# Altium PCB rev6.PcbDoc (part 3 of 4)
Units mil, origin at the board's own origin, x right, y up, seen from the top; angles counter-clockwise.
Board outline 1000 x 900 mil, 2 copper layers (Top Layer, Bottom Layer); 180 components, 16 nets, 1920 pads, 0 vias.
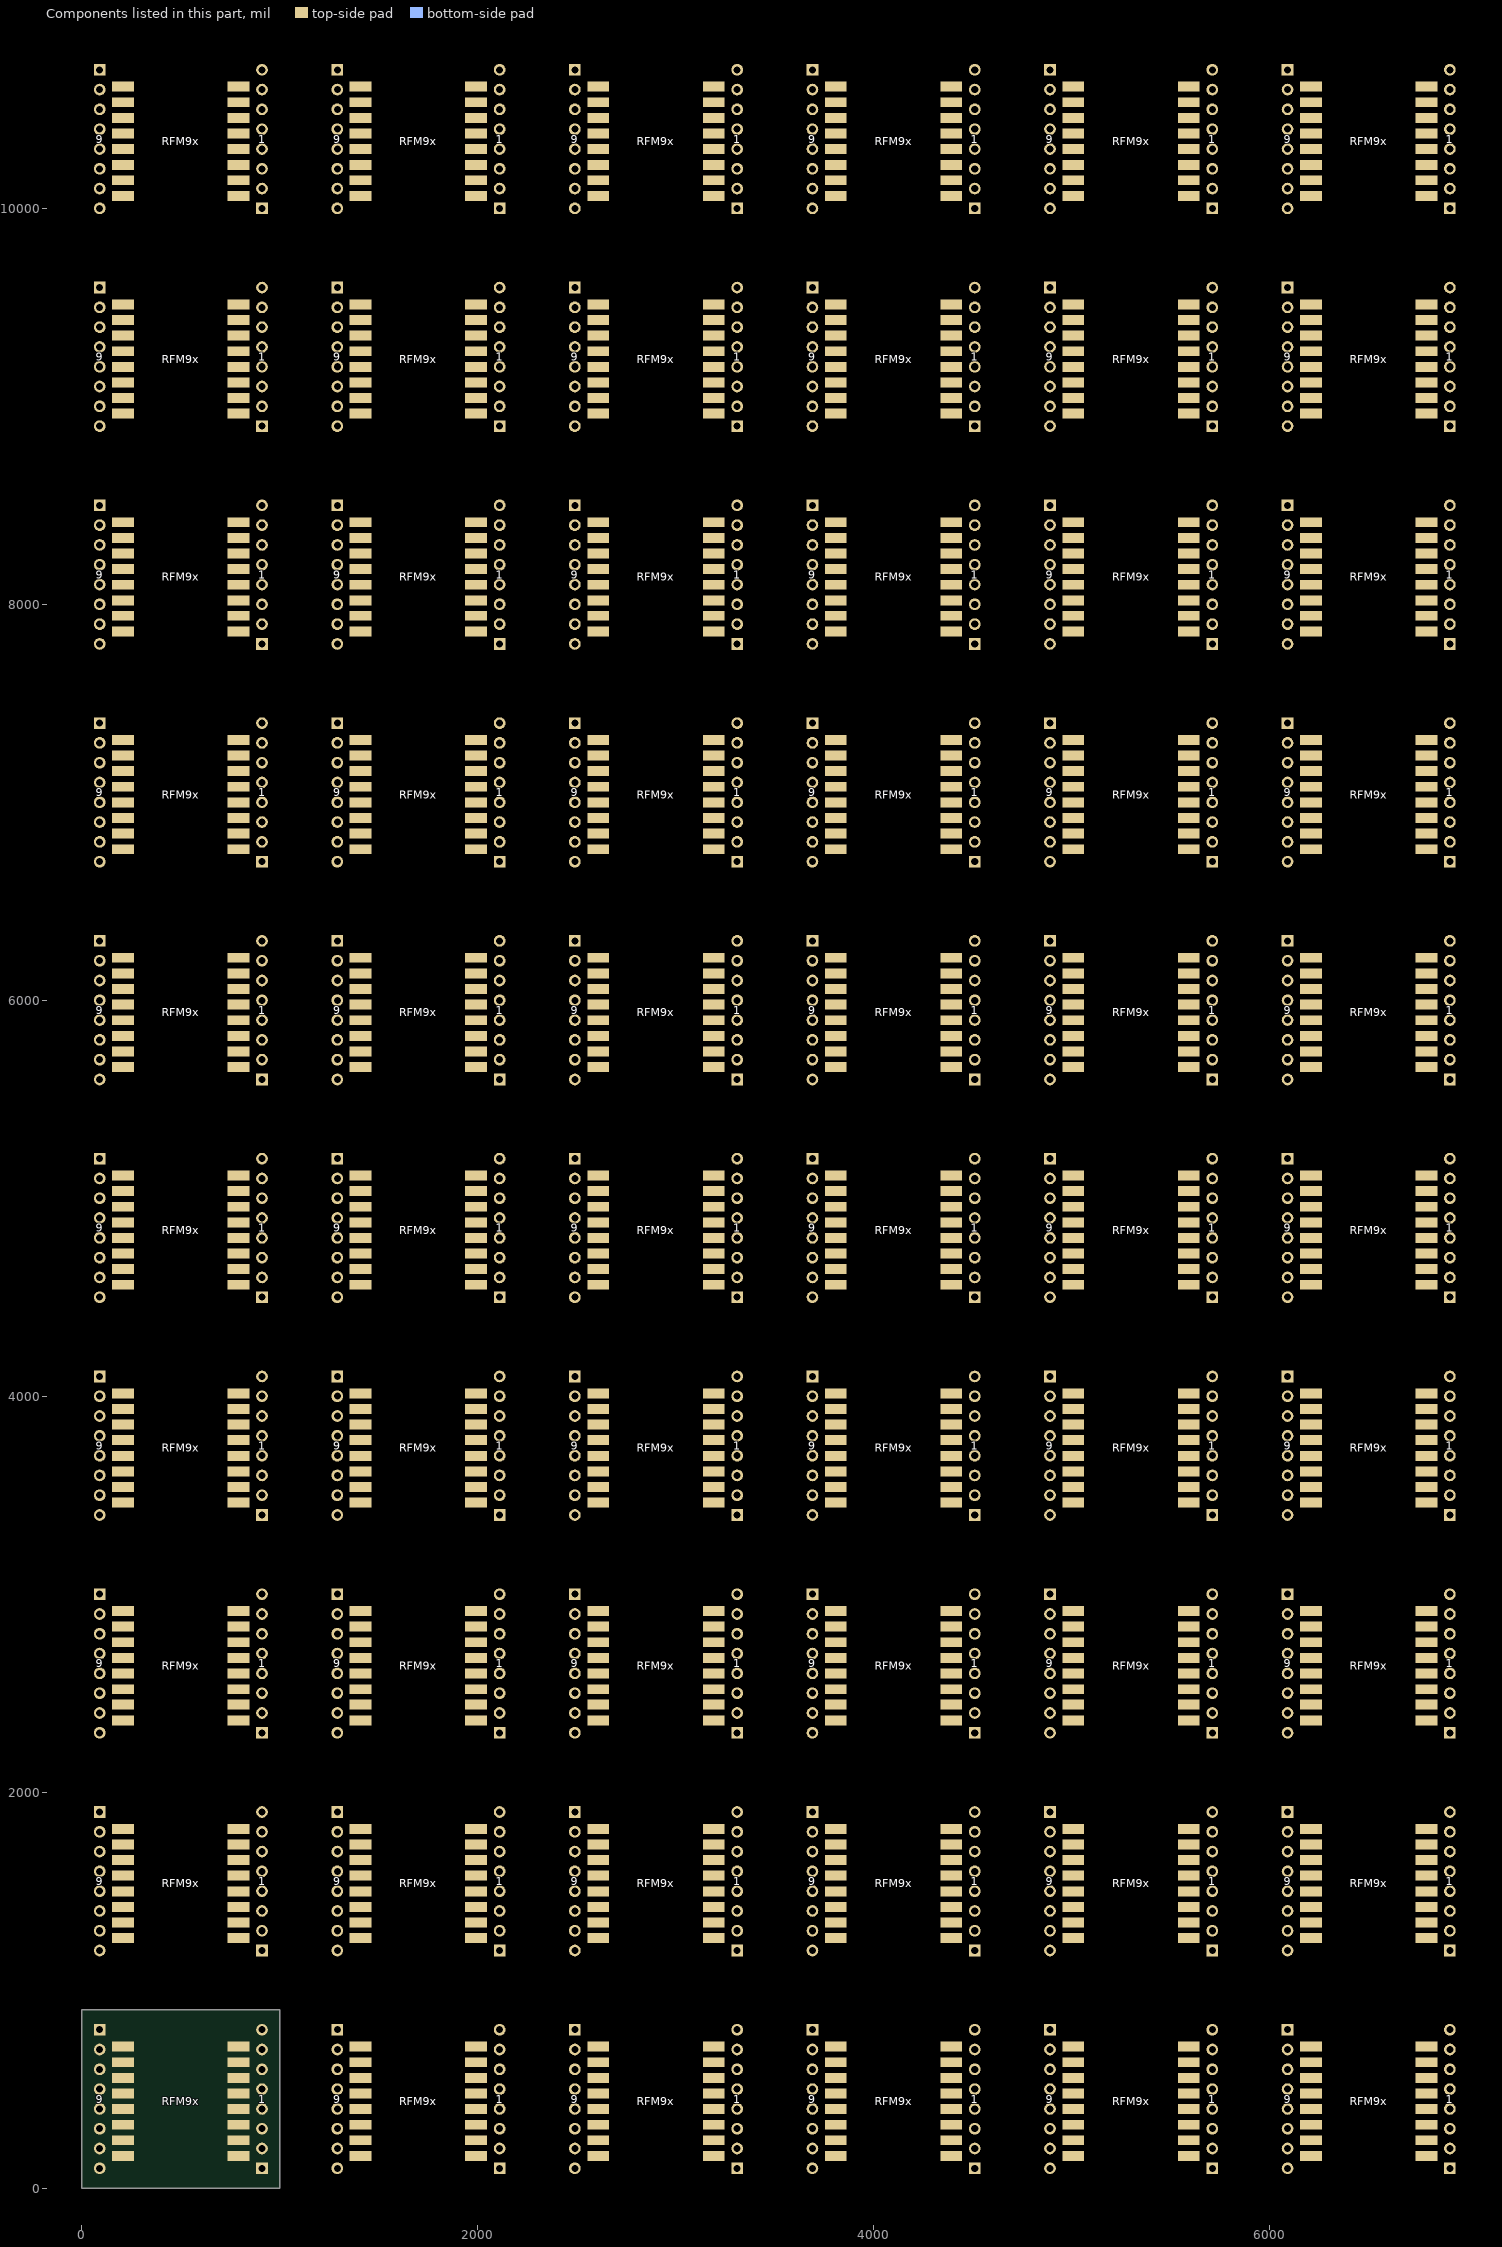
[diagram p3: the components of this part, seen from the top]

## Nets (pads, with @x,y where several pads share a name; then routed paths per layer and width w, separated by ;. In a path a pad name is that pad's centre, name@x,y a point inside that pad or via, vN(x,y) a via of type N, cw(c..) or ccw(c..) an arc to the next point about the centre after c; other vN are vias at no path point) (continued)
copper on no net: | length 130572.1
  Top Layer w20: 90,1200 153,1263 208,1263 ; 90,1300 132,1342 208,1342 ; 90,1400 139,1400 159,1420 208,1420 ; 90,1500 148,1500 149,1499 208,1499 ; 90,1600 111.63,1578.37 208,1578.37 ; 90,1700 132.89,1657.11 208,1657.11 ; 90,1800 154.15,1735.85 208,1735.85 ; 90,1900 158,1900 208,1850 208,1814.59 ; 90,2300 153,2363 208,2363 ; 90,2400 132,2442 208,2442 ; 90,2500 139,2500 159,2520 208,2520 ; 90,2600 148,2600 149,2599 208,2599 ; 90,2700 111.63,2678.37 208,2678.37 ; 90,2800 132.89,2757.11 208,2757.11 ; 90,2900 154.15,2835.85 208,2835.85 ; 90,3000 158,3000 208,2950 208,2914.59 ; 90,3400 153,3463 208,3463 ; 90,3500 132,3542 208,3542 ; 90,3600 139,3600 159,3620 208,3620 ; 90,3700 148,3700 149,3699 208,3699 ; 90,3800 111.63,3778.37 208,3778.37 ; 90,3900 132.89,3857.11 208,3857.11 ; 90,4000 154.15,3935.85 208,3935.85 ; 90,4100 158,4100 208,4050 208,4014.59 ; 90,4500 153,4563 208,4563 ; 90,4600 132,4642 208,4642 ; 90,4700 139,4700 159,4720 208,4720 ; 90,4800 148,4800 149,4799 208,4799 ; 90,4900 111.63,4878.37 208,4878.37 ; 90,5000 132.89,4957.11 208,4957.11 ; 90,5100 154.15,5035.85 208,5035.85 ; 90,5200 158,5200 208,5150 208,5114.59 ; 90,5600 153,5663 208,5663 ; 90,5700 132,5742 208,5742 ; 90,5800 139,5800 159,5820 208,5820 ; 90,5900 148,5900 149,5899 208,5899 ; 90,6000 111.63,5978.37 208,5978.37 ; 90,6100 132.89,6057.11 208,6057.11 ; 90,6200 154.15,6135.85 208,6135.85 ; 90,6300 158,6300 208,6250 208,6214.59 ; 90,6700 153,6763 208,6763 ; 90,6800 132,6842 208,6842 ; 90,6900 139,6900 159,6920 208,6920 ; 90,7000 148,7000 149,6999 208,6999 ; 90,7100 111.63,7078.37 208,7078.37 ; 90,7200 132.89,7157.11 208,7157.11 ; 90,7300 154.15,7235.85 208,7235.85 ; 90,7400 158,7400 208,7350 208,7314.59 ; 90,7800 153,7863 208,7863 ; 90,7900 132,7942 208,7942 ; 90,8000 139,8000 159,8020 208,8020 ; 90,8100 148,8100 149,8099 208,8099 ; 90,8200 111.63,8178.37 208,8178.37 ; 90,8300 132.89,8257.11 208,8257.11 ; 90,8400 154.15,8335.85 208,8335.85 ; 90,8500 158,8500 208,8450 208,8414.59 ; 90,8900 153,8963 208,8963 ; 90,9000 132,9042 208,9042 ; 90,9100 139,9100 159,9120 208,9120 ; 90,9200 148,9200 149,9199 208,9199 ; 90,9300 111.63,9278.37 208,9278.37 ; 90,9400 132.89,9357.11 208,9357.11 ; 90,9500 154.15,9435.85 208,9435.85 ; 90,9600 158,9600 208,9550 208,9514.59 ; 90,10000 153,10063 208,10063 ; 90,10100 132,10142 208,10142 ; 90,10200 139,10200 159,10220 208,10220 ; 90,10300 148,10300 149,10299 208,10299 ; 90,10400 111.63,10378.37 208,10378.37 ; 90,10500 132.89,10457.11 208,10457.11 ; 90,10600 154.15,10535.85 208,10535.85 ; 90,10700 158,10700 208,10650 208,10614.59 ; 791.34,1263 847,1263 910,1200 ; 791.34,1342 868,1342 910,1300 ; 791.34,1420 890,1420 910,1400 ; 791.34,1499 850,1499 851,1500 910,1500 ; 791.34,1578.37 888.37,1578.37 910,1600 ; 791.34,1657.11 867.11,1657.11 910,1700 ; 791.34,1735.85 850,1735.85 850,1740 910,1800 ; 791.34,1814.59 850,1814.59 850,1840 910,1900 ; 791.34,2363 847,2363 910,2300 ; 791.34,2442 868,2442 910,2400 ; 791.34,2520 890,2520 910,2500 ; 791.34,2599 850,2599 851,2600 910,2600 ; 791.34,2678.37 888.37,2678.37 910,2700 ; 791.34,2757.11 867.11,2757.11 910,2800 ; 791.34,2835.85 850,2835.85 850,2840 910,2900 ; 791.34,2914.59 850,2914.59 850,2940 910,3000 ; 791.34,3463 847,3463 910,3400 ; 791.34,3542 868,3542 910,3500 ; 791.34,3620 890,3620 910,3600 ; 791.34,3699 850,3699 851,3700 910,3700 ; 791.34,3778.37 888.37,3778.37 910,3800 ; 791.34,3857.11 867.11,3857.11 910,3900 ; 791.34,3935.85 850,3935.85 850,3940 910,4000 ; 791.34,4014.59 850,4014.59 850,4040 910,4100 ; 791.34,4563 847,4563 910,4500 ; 791.34,4642 868,4642 910,4600 ; 791.34,4720 890,4720 910,4700 ; 791.34,4799 850,4799 851,4800 910,4800 ; 791.34,4878.37 888.37,4878.37 910,4900 ; 791.34,4957.11 867.11,4957.11 910,5000 ; 791.34,5035.85 850,5035.85 850,5040 910,5100 ; 791.34,5114.59 850,5114.59 850,5140 910,5200 ; 791.34,5663 847,5663 910,5600 ; 791.34,5742 868,5742 910,5700 ; 791.34,5820 890,5820 910,5800 ; 791.34,5899 850,5899 851,5900 910,5900 ; 791.34,5978.37 888.37,5978.37 910,6000 ; 791.34,6057.11 867.11,6057.11 910,6100 ; 791.34,6135.85 850,6135.85 850,6140 910,6200 ; 791.34,6214.59 850,6214.59 850,6240 910,6300 ; 791.34,6763 847,6763 910,6700 ; 791.34,6842 868,6842 910,6800 ; 791.34,6920 890,6920 910,6900 ; 791.34,6999 850,6999 851,7000 910,7000 ; 791.34,7078.37 888.37,7078.37 910,7100 ; 791.34,7157.11 867.11,7157.11 910,7200 ; 791.34,7235.85 850,7235.85 850,7240 910,7300 ; 791.34,7314.59 850,7314.59 850,7340 910,7400 ; 791.34,7863 847,7863 910,7800 ; 791.34,7942 868,7942 910,7900 ; 791.34,8020 890,8020 910,8000 ; 791.34,8099 850,8099 851,8100 910,8100 ; 791.34,8178.37 888.37,8178.37 910,8200 ; 791.34,8257.11 867.11,8257.11 910,8300 ; 791.34,8335.85 850,8335.85 850,8340 910,8400 ; 791.34,8414.59 850,8414.59 850,8440 910,8500 ; 791.34,8963 847,8963 910,8900 ; 791.34,9042 868,9042 910,9000 ; 791.34,9120 890,9120 910,9100 ; 791.34,9199 850,9199 851,9200 910,9200 ; 791.34,9278.37 888.37,9278.37 910,9300 ; 791.34,9357.11 867.11,9357.11 910,9400 ; 791.34,9435.85 850,9435.85 850,9440 910,9500 ; 791.34,9514.59 850,9514.59 850,9540 910,9600 ; 791.34,10063 847,10063 910,10000 ; 791.34,10142 868,10142 910,10100 ; 791.34,10220 890,10220 910,10200 ; 791.34,10299 850,10299 851,10300 910,10300 ; 791.34,10378.37 888.37,10378.37 910,10400 ; 791.34,10457.11 867.11,10457.11 910,10500 ; 791.34,10535.85 850,10535.85 850,10540 910,10600 ; 791.34,10614.59 850,10614.59 850,10640 910,10700 ; 1290,100 1353,163 1408,163 ; 1290,200 1332,242 1408,242 ; 1290,300 1339,300 1359,320 1408,320 ; 1290,400 1348,400 1349,399 1408,399 ; 1290,500 1311.63,478.37 1408,478.37 ; 1290,600 1332.89,557.11 1408,557.11 ; 1290,700 1354.15,635.85 1408,635.85 ; 1290,800 1358,800 1408,750 1408,714.59 ; 1290,1200 1353,1263 1408,1263 ; 1290,1300 1332,1342 1408,1342 ; 1290,1400 1339,1400 1359,1420 1408,1420 ; 1290,1500 1348,1500 1349,1499 1408,1499 ; 1290,1600 1311.63,1578.37 1408,1578.37 ; 1290,1700 1332.89,1657.11 1408,1657.11 ; 1290,1800 1354.15,1735.85 1408,1735.85 ; 1290,1900 1358,1900 1408,1850 1408,1814.59 ; 1290,2300 1353,2363 1408,2363 ; 1290,2400 1332,2442 1408,2442 ; 1290,2500 1339,2500 1359,2520 1408,2520 ; 1290,2600 1348,2600 1349,2599 1408,2599 ; 1290,2700 1311.63,2678.37 1408,2678.37 ; 1290,2800 1332.89,2757.11 1408,2757.11 ; 1290,2900 1354.15,2835.85 1408,2835.85 ; 1290,3000 1358,3000 1408,2950 1408,2914.59 ; 1290,3400 1353,3463 1408,3463 ; 1290,3500 1332,3542 1408,3542 ; 1290,3600 1339,3600 1359,3620 1408,3620 ; 1290,3700 1348,3700 1349,3699 1408,3699 ; 1290,3800 1311.63,3778.37 1408,3778.37 ; 1290,3900 1332.89,3857.11 1408,3857.11 ; 1290,4000 1354.15,3935.85 1408,3935.85 ; 1290,4100 1358,4100 1408,4050 1408,4014.59 ; 1290,4500 1353,4563 1408,4563 ; 1290,4600 1332,4642 1408,4642 ; 1290,4700 1339,4700 1359,4720 1408,4720 ; 1290,4800 1348,4800 1349,4799 1408,4799 ; 1290,4900 1311.63,4878.37 1408,4878.37 ; 1290,5000 1332.89,4957.11 1408,4957.11 ; 1290,5100 1354.15,5035.85 1408,5035.85 ; 1290,5200 1358,5200 1408,5150 1408,5114.59 ; 1290,5600 1353,5663 1408,5663 ; 1290,5700 1332,5742 1408,5742 ; 1290,5800 1339,5800 1359,5820 1408,5820 ; 1290,5900 1348,5900 1349,5899 1408,5899 ; 1290,6000 1311.63,5978.37 1408,5978.37 ; 1290,6100 1332.89,6057.11 1408,6057.11 ; 1290,6200 1354.15,6135.85 1408,6135.85 ; 1290,6300 1358,6300 1408,6250 1408,6214.59 ; 1290,6700 1353,6763 1408,6763 ; 1290,6800 1332,6842 1408,6842 ; 1290,6900 1339,6900 1359,6920 1408,6920 ; 1290,7000 1348,7000 1349,6999 1408,6999 ; 1290,7100 1311.63,7078.37 1408,7078.37 ; 1290,7200 1332.89,7157.11 1408,7157.11 ; 1290,7300 1354.15,7235.85 1408,7235.85 ; 1290,7400 1358,7400 1408,7350 1408,7314.59 ; 1290,7800 1353,7863 1408,7863 ; 1290,7900 1332,7942 1408,7942 ; 1290,8000 1339,8000 1359,8020 1408,8020 ; 1290,8100 1348,8100 1349,8099 1408,8099 ; 1290,8200 1311.63,8178.37 1408,8178.37 ; 1290,8300 1332.89,8257.11 1408,8257.11 ; 1290,8400 1354.15,8335.85 1408,8335.85 ; 1290,8500 1358,8500 1408,8450 1408,8414.59 ; 1290,8900 1353,8963 1408,8963 ; 1290,9000 1332,9042 1408,9042 ; 1290,9100 1339,9100 1359,9120 1408,9120 ; 1290,9200 1348,9200 1349,9199 1408,9199 ; 1290,9300 1311.63,9278.37 1408,9278.37 ; 1290,9400 1332.89,9357.11 1408,9357.11 ; 1290,9500 1354.15,9435.85 1408,9435.85 ; 1290,9600 1358,9600 1408,9550 1408,9514.59 ; 1290,10000 1353,10063 1408,10063 ; 1290,10100 1332,10142 1408,10142 ; 1290,10200 1339,10200 1359,10220 1408,10220 ; 1290,10300 1348,10300 1349,10299 1408,10299 ; 1290,10400 1311.63,10378.37 1408,10378.37 ; 1290,10500 1332.89,10457.11 1408,10457.11 ; 1290,10600 1354.15,10535.85 1408,10535.85 ; 1290,10700 1358,10700 1408,10650 1408,10614.59 ; 1991.34,163 2047,163 2110,100 ; 1991.34,242 2068,242 2110,200 ; 1991.34,320 2090,320 2110,300 ; 1991.34,399 2050,399 2051,400 2110,400 ; 1991.34,478.37 2088.37,478.37 2110,500 ; 1991.34,557.11 2067.11,557.11 2110,600 ; 1991.34,635.85 2050,635.85 2050,640 2110,700 ; 1991.34,714.59 2050,714.59 2050,740 2110,800 ; 1991.34,1263 2047,1263 2110,1200 ; 1991.34,1342 2068,1342 2110,1300 ; 1991.34,1420 2090,1420 2110,1400 ; 1991.34,1499 2050,1499 2051,1500 2110,1500 ; 1991.34,1578.37 2088.37,1578.37 2110,1600 ; 1991.34,1657.11 2067.11,1657.11 2110,1700 ; 1991.34,1735.85 2050,1735.85 2050,1740 2110,1800 ; 1991.34,1814.59 2050,1814.59 2050,1840 2110,1900 ; 1991.34,2363 2047,2363 2110,2300 ; 1991.34,2442 2068,2442 2110,2400 ; 1991.34,2520 2090,2520 2110,2500 ; 1991.34,2599 2050,2599 2051,2600 2110,2600 ; 1991.34,2678.37 2088.37,2678.37 2110,2700 ; 1991.34,2757.11 2067.11,2757.11 2110,2800 ; 1991.34,2835.85 2050,2835.85 2050,2840 2110,2900 ; 1991.34,2914.59 2050,2914.59 2050,2940 2110,3000 ; 1991.34,3463 2047,3463 2110,3400 ; 1991.34,3542 2068,3542 2110,3500 ; 1991.34,3620 2090,3620 2110,3600 ; 1991.34,3699 2050,3699 2051,3700 2110,3700 ; 1991.34,3778.37 2088.37,3778.37 2110,3800 ; 1991.34,3857.11 2067.11,3857.11 2110,3900 ; 1991.34,3935.85 2050,3935.85 2050,3940 2110,4000 ; 1991.34,4014.59 2050,4014.59 2050,4040 2110,4100 ; 1991.34,4563 2047,4563 2110,4500 ; 1991.34,4642 2068,4642 2110,4600 ; 1991.34,4720 2090,4720 2110,4700 ; 1991.34,4799 2050,4799 2051,4800 2110,4800 ; 1991.34,4878.37 2088.37,4878.37 2110,4900 ; 1991.34,4957.11 2067.11,4957.11 2110,5000 ; 1991.34,5035.85 2050,5035.85 2050,5040 2110,5100 ; 1991.34,5114.59 2050,5114.59 2050,5140 2110,5200 ; 1991.34,5663 2047,5663 2110,5600 ; 1991.34,5742 2068,5742 2110,5700 ; 1991.34,5820 2090,5820 2110,5800 ; 1991.34,5899 2050,5899 2051,5900 2110,5900 ; 1991.34,5978.37 2088.37,5978.37 2110,6000 ; 1991.34,6057.11 2067.11,6057.11 2110,6100 ; 1991.34,6135.85 2050,6135.85 2050,6140 2110,6200 ; 1991.34,6214.59 2050,6214.59 2050,6240 2110,6300 ; 1991.34,6763 2047,6763 2110,6700 ; 1991.34,6842 2068,6842 2110,6800 ; 1991.34,6920 2090,6920 2110,6900 ; 1991.34,6999 2050,6999 2051,7000 2110,7000 ; 1991.34,7078.37 2088.37,7078.37 2110,7100 ; 1991.34,7157.11 2067.11,7157.11 2110,7200 ; 1991.34,7235.85 2050,7235.85 2050,7240 2110,7300 ; 1991.34,7314.59 2050,7314.59 2050,7340 2110,7400 ; 1991.34,7863 2047,7863 2110,7800 ; 1991.34,7942 2068,7942 2110,7900 ; 1991.34,8020 2090,8020 2110,8000 ; 1991.34,8099 2050,8099 2051,8100 2110,8100 ; 1991.34,8178.37 2088.37,8178.37 2110,8200 ; 1991.34,8257.11 2067.11,8257.11 2110,8300 ; 1991.34,8335.85 2050,8335.85 2050,8340 2110,8400 ; 1991.34,8414.59 2050,8414.59 2050,8440 2110,8500 ; 1991.34,8963 2047,8963 2110,8900 ; 1991.34,9042 2068,9042 2110,9000 ; 1991.34,9120 2090,9120 2110,9100 ; 1991.34,9199 2050,9199 2051,9200 2110,9200 ; 1991.34,9278.37 2088.37,9278.37 2110,9300 ; 1991.34,9357.11 2067.11,9357.11 2110,9400 ; 1991.34,9435.85 2050,9435.85 2050,9440 2110,9500 ; 1991.34,9514.59 2050,9514.59 2050,9540 2110,9600 ; 1991.34,10063 2047,10063 2110,10000 ; 1991.34,10142 2068,10142 2110,10100 ; 1991.34,10220 2090,10220 2110,10200 ; 1991.34,10299 2050,10299 2051,10300 2110,10300 ; 1991.34,10378.37 2088.37,10378.37 2110,10400 ; 1991.34,10457.11 2067.11,10457.11 2110,10500 ; 1991.34,10535.85 2050,10535.85 2050,10540 2110,10600 ; 1991.34,10614.59 2050,10614.59 2050,10640 2110,10700 ; 2490,100 2553,163 2608,163 ; 2490,200 2532,242 2608,242 ; 2490,300 2539,300 2559,320 2608,320 ; 2490,400 2548,400 2549,399 2608,399 ; 2490,500 2511.63,478.37 2608,478.37 ; 2490,600 2532.89,557.11 2608,557.11 ; 2490,700 2554.15,635.85 2608,635.85 ; 2490,800 2558,800 2608,750 2608,714.59 ; 2490,1200 2553,1263 2608,1263 ; 2490,1300 2532,1342 2608,1342 ; 2490,1400 2539,1400 2559,1420 2608,1420 ; 2490,1500 2548,1500 2549,1499 2608,1499 ; 2490,1600 2511.63,1578.37 2608,1578.37 ; 2490,1700 2532.89,1657.11 2608,1657.11 ; 2490,1800 2554.15,1735.85 2608,1735.85 ; 2490,1900 2558,1900 2608,1850 2608,1814.59 ; 2490,2300 2553,2363 2608,2363 ; 2490,2400 2532,2442 2608,2442 ; 2490,2500 2539,2500 2559,2520 2608,2520 ; 2490,2600 2548,2600 2549,2599 2608,2599 ; 2490,2700 2511.63,2678.37 2608,2678.37 ; 2490,2800 2532.89,2757.11 2608,2757.11 ; 2490,2900 2554.15,2835.85 2608,2835.85 ; 2490,3000 2558,3000 2608,2950 2608,2914.59 ; 2490,3400 2553,3463 2608,3463 ; 2490,3500 2532,3542 2608,3542 ; 2490,3600 2539,3600 2559,3620 2608,3620 ; 2490,3700 2548,3700 2549,3699 2608,3699 ; 2490,3800 2511.63,3778.37 2608,3778.37 ; 2490,3900 2532.89,3857.11 2608,3857.11 ; 2490,4000 2554.15,3935.85 2608,3935.85 ; 2490,4100 2558,4100 2608,4050 2608,4014.59 ; 2490,4500 2553,4563 2608,4563 ; 2490,4600 2532,4642 2608,4642 ; 2490,4700 2539,4700 2559,4720 2608,4720 ; 2490,4800 2548,4800 2549,4799 2608,4799 ; 2490,4900 2511.63,4878.37 2608,4878.37 ; 2490,5000 2532.89,4957.11 2608,4957.11 ; 2490,5100 2554.15,5035.85 2608,5035.85 ; 2490,5200 2558,5200 2608,5150 2608,5114.59 ; 2490,5600 2553,5663 2608,5663 ; 2490,5700 2532,5742 2608,5742 ; 2490,5800 2539,5800 2559,5820 2608,5820 ; 2490,5900 2548,5900 2549,5899 2608,5899 ; 2490,6000 2511.63,5978.37 2608,5978.37 ; 2490,6100 2532.89,6057.11 2608,6057.11 ; 2490,6200 2554.15,6135.85 2608,6135.85 ; 2490,6300 2558,6300 2608,6250 2608,6214.59 ; 2490,6700 2553,6763 2608,6763 ; 2490,6800 2532,6842 2608,6842 ; 2490,6900 2539,6900 2559,6920 2608,6920 ; 2490,7000 2548,7000 2549,6999 2608,6999 ; 2490,7100 2511.63,7078.37 2608,7078.37 ; 2490,7200 2532.89,7157.11 2608,7157.11 ; 2490,7300 2554.15,7235.85 2608,7235.85 ; 2490,7400 2558,7400 2608,7350 2608,7314.59 ; 2490,7800 2553,7863 2608,7863 ; 2490,7900 2532,7942 2608,7942 ; 2490,8000 2539,8000 2559,8020 2608,8020 ; 2490,8100 2548,8100 2549,8099 2608,8099 ; 2490,8200 2511.63,8178.37 2608,8178.37 ; 2490,8300 2532.89,8257.11 2608,8257.11 ; 2490,8400 2554.15,8335.85 2608,8335.85 ; 2490,8500 2558,8500 2608,8450 2608,8414.59 ; 2490,8900 2553,8963 2608,8963 ; 2490,9000 2532,9042 2608,9042 ; 2490,9100 2539,9100 2559,9120 2608,9120 ; 2490,9200 2548,9200 2549,9199 2608,9199 ; 2490,9300 2511.63,9278.37 2608,9278.37 ; 2490,9400 2532.89,9357.11 2608,9357.11 ; 2490,9500 2554.15,9435.85 2608,9435.85 ; 2490,9600 2558,9600 2608,9550 2608,9514.59 ; 2490,10000 2553,10063 2608,10063 ; 2490,10100 2532,10142 2608,10142 ; 2490,10200 2539,10200 2559,10220 2608,10220 ; 2490,10300 2548,10300 2549,10299 2608,10299 ; 2490,10400 2511.63,10378.37 2608,10378.37 ; 2490,10500 2532.89,10457.11 2608,10457.11 ; 2490,10600 2554.15,10535.85 2608,10535.85 ; 2490,10700 2558,10700 2608,10650 2608,10614.59 ; 3191.34,163 3247,163 3310,100 ; 3191.34,242 3268,242 3310,200 ; 3191.34,320 3290,320 3310,300 ; 3191.34,399 3250,399 3251,400 3310,400 ; 3191.34,478.37 3288.37,478.37 3310,500 ; 3191.34,557.11 3267.11,557.11 3310,600 ; 3191.34,635.85 3250,635.85 3250,640 3310,700 ; 3191.34,714.59 3250,714.59 3250,740 3310,800 ; 3191.34,1263 3247,1263 3310,1200 ; 3191.34,1342 3268,1342 3310,1300 ; 3191.34,1420 3290,1420 3310,1400 ; 3191.34,1499 3250,1499 3251,1500 3310,1500 ; 3191.34,1578.37 3288.37,1578.37 3310,1600 ; 3191.34,1657.11 3267.11,1657.11 3310,1700 ; 3191.34,1735.85 3250,1735.85 3250,1740 3310,1800 ; 3191.34,1814.59 3250,1814.59 3250,1840 3310,1900 ; 3191.34,2363 3247,2363 3310,2300 ; 3191.34,2442 3268,2442 3310,2400 ; 3191.34,2520 3290,2520 3310,2500 ; 3191.34,2599 3250,2599 3251,2600 3310,2600 ; 3191.34,2678.37 3288.37,2678.37 3310,2700 ; 3191.34,2757.11 3267.11,2757.11 3310,2800 ; 3191.34,2835.85 3250,2835.85 3250,2840 3310,2900 ; 3191.34,2914.59 3250,2914.59 3250,2940 3310,3000 ; 3191.34,3463 3247,3463 3310,3400 ; 3191.34,3542 3268,3542 3310,3500 ; 3191.34,3620 3290,3620 3310,3600 ; 3191.34,3699 3250,3699 3251,3700 3310,3700 ; 3191.34,3778.37 3288.37,3778.37 3310,3800 ; 3191.34,3857.11 3267.11,3857.11 3310,3900 ; 3191.34,3935.85 3250,3935.85 3250,3940 3310,4000 ; 3191.34,4014.59 3250,4014.59 3250,4040 3310,4100 ; 3191.34,4563 3247,4563 3310,4500 ; 3191.34,4642 3268,4642 3310,4600 ; 3191.34,4720 3290,4720 3310,4700 ; 3191.34,4799 3250,4799 3251,4800 3310,4800 ; 3191.34,4878.37 3288.37,4878.37 3310,4900 ; 3191.34,4957.11 3267.11,4957.11 3310,5000 ; 3191.34,5035.85 3250,5035.85 3250,5040 3310,5100 ; 3191.34,5114.59 3250,5114.59 3250,5140 3310,5200 ; 3191.34,5663 3247,5663 3310,5600 ; 3191.34,5742 3268,5742 3310,5700 ; 3191.34,5820 3290,5820 3310,5800 ; 3191.34,5899 3250,5899 3251,5900 3310,5900 ; 3191.34,5978.37 3288.37,5978.37 3310,6000 ; 3191.34,6057.11 3267.11,6057.11 3310,6100 ; 3191.34,6135.85 3250,6135.85 3250,6140 3310,6200 ; 3191.34,6214.59 3250,6214.59 3250,6240 3310,6300 ; 3191.34,6763 3247,6763 3310,6700 ; 3191.34,6842 3268,6842 3310,6800 ; 3191.34,6920 3290,6920 3310,6900 ; 3191.34,6999 3250,6999 3251,7000 3310,7000 ; 3191.34,7078.37 3288.37,7078.37 3310,7100 ; 3191.34,7157.11 3267.11,7157.11 3310,7200 ; 3191.34,7235.85 3250,7235.85 3250,7240 3310,7300 ; 3191.34,7314.59 3250,7314.59 3250,7340 3310,7400 ; 3191.34,7863 3247,7863 3310,7800 ; 3191.34,7942 3268,7942 3310,7900 ; 3191.34,8020 3290,8020 3310,8000 ; 3191.34,8099 3250,8099 3251,8100 3310,8100 ; 3191.34,8178.37 3288.37,8178.37 3310,8200 ; 3191.34,8257.11 3267.11,8257.11 3310,8300 ; 3191.34,8335.85 3250,8335.85 3250,8340 3310,8400 ; 3191.34,8414.59 3250,8414.59 3250,8440 3310,8500 ; 3191.34,8963 3247,8963 3310,8900 ; 3191.34,9042 3268,9042 3310,9000 ; 3191.34,9120 3290,9120 3310,9100 ; 3191.34,9199 3250,9199 3251,9200 3310,9200 ; 3191.34,9278.37 3288.37,9278.37 3310,9300 ; 3191.34,9357.11 3267.11,9357.11 3310,9400 ; 3191.34,9435.85 3250,9435.85 3250,9440 3310,9500 ; 3191.34,9514.59 3250,9514.59 3250,9540 3310,9600 ; 3191.34,10063 3247,10063 3310,10000 ; 3191.34,10142 3268,10142 3310,10100 ; 3191.34,10220 3290,10220 3310,10200 ; 3191.34,10299 3250,10299 3251,10300 3310,10300 ; 3191.34,10378.37 3288.37,10378.37 3310,10400 ; 3191.34,10457.11 3267.11,10457.11 3310,10500 ; 3191.34,10535.85 3250,10535.85 3250,10540 3310,10600 ; 3191.34,10614.59 3250,10614.59 3250,10640 3310,10700 ; 3690,100 3753,163 3808,163 ; 3690,200 3732,242 3808,242 ; 3690,300 3739,300 3759,320 3808,320 ; 3690,400 3748,400 3749,399 3808,399 ; 3690,500 3711.63,478.37 3808,478.37 ; 3690,600 3732.89,557.11 3808,557.11 ; 3690,700 3754.15,635.85 3808,635.85 ; 3690,800 3758,800 3808,750 3808,714.59 ; 3690,1200 3753,1263 3808,1263 ; 3690,1300 3732,1342 3808,1342 ; 3690,1400 3739,1400 3759,1420 3808,1420 ; 3690,1500 3748,1500 3749,1499 3808,1499 ; 3690,1600 3711.63,1578.37 3808,1578.37 ; 3690,1700 3732.89,1657.11 3808,1657.11 ; 3690,1800 3754.15,1735.85 3808,1735.85 ; 3690,1900 3758,1900 3808,1850 3808,1814.59 ; 3690,2300 3753,2363 3808,2363 ; 3690,2400 3732,2442 3808,2442 ; 3690,2500 3739,2500 3759,2520 3808,2520 ; 3690,2600 3748,2600 3749,2599 3808,2599 ; 3690,2700 3711.63,2678.37 3808,2678.37 ; 3690,2800 3732.89,2757.11 3808,2757.11 ; 3690,2900 3754.15,2835.85 3808,2835.85 ; 3690,3000 3758,3000 3808,2950 3808,2914.59 ; 3690,3400 3753,3463 3808,3463 ; 3690,3500 3732,3542 3808,3542 ; 3690,3600 3739,3600 3759,3620 3808,3620 ; 3690,3700 3748,3700 3749,3699 3808,3699 ; 3690,3800 3711.63,3778.37 3808,3778.37 ; 3690,3900 3732.89,3857.11 3808,3857.11 ; 3690,4000 3754.15,3935.85 3808,3935.85 ; 3690,4100 3758,4100 3808,4050 3808,4014.59 ; 3690,4500 3753,4563 3808,4563 ; 3690,4600 3732,4642 3808,4642 ; 3690,4700 3739,4700 3759,4720 3808,4720 ; 3690,4800 3748,4800 3749,4799 3808,4799 ; 3690,4900 3711.63,4878.37 3808,4878.37 ; 3690,5000 3732.89,4957.11 3808,4957.11 ; 3690,5100 3754.15,5035.85 3808,5035.85 ; 3690,5200 3758,5200 3808,5150 3808,5114.59 ; 3690,5600 3753,5663 3808,5663 ; 3690,5700 3732,5742 3808,5742 ; 3690,5800 3739,5800 3759,5820 3808,5820 ; 3690,5900 3748,5900 3749,5899 3808,5899 ; 3690,6000 3711.63,5978.37 3808,5978.37 ; 3690,6100 3732.89,6057.11 3808,6057.11 ; 3690,6200 3754.15,6135.85 3808,6135.85 ; 3690,6300 3758,6300 3808,6250 3808,6214.59 ; 3690,6700 3753,6763 3808,6763 ; 3690,6800 3732,6842 3808,6842 ; 3690,6900 3739,6900 3759,6920 3808,6920 ; 3690,7000 3748,7000 3749,6999 3808,6999 ; 3690,7100 3711.63,7078.37 3808,7078.37 ; 3690,7200 3732.89,7157.11 3808,7157.11 ; 3690,7300 3754.15,7235.85 3808,7235.85 ; 3690,7400 3758,7400 3808,7350 3808,7314.59 ; 3690,7800 3753,7863 3808,7863 ; 3690,7900 3732,7942 3808,7942 ; 3690,8000 3739,8000 3759,8020 3808,8020 ; 3690,8100 3748,8100 3749,8099 3808,8099 ; 3690,8200 3711.63,8178.37 3808,8178.37 ; 3690,8300 3732.89,8257.11 3808,8257.11 ; 3690,8400 3754.15,8335.85 3808,8335.85 ; 3690,8500 3758,8500 3808,8450 3808,8414.59 ; 3690,8900 3753,8963 3808,8963 ; 3690,9000 3732,9042 3808,9042 ; 3690,9100 3739,9100 3759,9120 3808,9120 ; 3690,9200 3748,9200 3749,9199 3808,9199 ; 3690,9300 3711.63,9278.37 3808,9278.37 ; 3690,9400 3732.89,9357.11 3808,9357.11 ; 3690,9500 3754.15,9435.85 3808,9435.85 ; 3690,9600 3758,9600 3808,9550 3808,9514.59 ; 3690,10000 3753,10063 3808,10063 ; 3690,10100 3732,10142 3808,10142 ; 3690,10200 3739,10200 3759,10220 3808,10220 ; 3690,10300 3748,10300 3749,10299 3808,10299 ; 3690,10400 3711.63,10378.37 3808,10378.37 ; 3690,10500 3732.89,10457.11 3808,10457.11 ; 3690,10600 3754.15,10535.85 3808,10535.85 ; 3690,10700 3758,10700 3808,10650 3808,10614.59 ; 4391.34,163 4447,163 4510,100 ; 4391.34,242 4468,242 4510,200 ; 4391.34,320 4490,320 4510,300 ; 4391.34,399 4450,399 4451,400 4510,400 ; 4391.34,478.37 4488.37,478.37 4510,500 ; 4391.34,557.11 4467.11,557.11 4510,600 ; 4391.34,635.85 4450,635.85 4450,640 4510,700 ; 4391.34,714.59 4450,714.59 4450,740 4510,800 ; 4391.34,1263 4447,1263 4510,1200 ; 4391.34,1342 4468,1342 4510,1300 ; 4391.34,1420 4490,1420 4510,1400 ; 4391.34,1499 4450,1499 4451,1500 4510,1500 ; 4391.34,1578.37 4488.37,1578.37 4510,1600 ; 4391.34,1657.11 4467.11,1657.11 4510,1700 ; 4391.34,1735.85 4450,1735.85 4450,1740 4510,1800 ; 4391.34,1814.59 4450,1814.59 4450,1840 4510,1900 ; 4391.34,2363 4447,2363 4510,2300 ; 4391.34,2442 4468,2442 4510,2400 ; 4391.34,2520 4490,2520 4510,2500 ; 4391.34,2599 4450,2599 4451,2600 4510,2600 ; 4391.34,2678.37 4488.37,2678.37 4510,2700 ; 4391.34,2757.11 4467.11,2757.11 4510,2800 ; 4391.34,2835.85 4450,2835.85 4450,2840 4510,2900 ; 4391.34,2914.59 4450,2914.59 4450,2940 4510,3000 ; 4391.34,3463 4447,3463 4510,3400 ; 4391.34,3542 4468,3542 4510,3500 ; 4391.34,3620 4490,3620 4510,3600 ; 4391.34,3699 4450,3699 4451,3700 4510,3700 ; 4391.34,3778.37 4488.37,3778.37 4510,3800 ; 4391.34,3857.11 4467.11,3857.11 4510,3900 ; 4391.34,3935.85 4450,3935.85 4450,3940 4510,4000 ; 4391.34,4014.59 4450,4014.59 4450,4040 4510,4100 ; 4391.34,4563 4447,4563 4510,4500 ; 4391.34,4642 4468,4642 4510,4600 ; 4391.34,4720 4490,4720 4510,4700 ; 4391.34,4799 4450,4799 4451,4800 4510,4800 ; 4391.34,4878.37 4488.37,4878.37 4510,4900 ; 4391.34,4957.11 4467.11,4957.11 4510,5000 ; 4391.34,5035.85 4450,5035.85 4450,5040 4510,5100 ; 4391.34,5114.59 4450,5114.59 4450,5140 4510,5200 ; 4391.34,5663 4447,5663 4510,5600 ; 4391.34,5742 4468,5742 4510,5700 ; 4391.34,5820 4490,5820 4510,5800 ; 4391.34,5899 4450,5899 4451,5900 4510,5900 ; 4391.34,5978.37 4488.37,5978.37 4510,6000 ; 4391.34,6057.11 4467.11,6057.11 4510,6100 ; 4391.34,6135.85 4450,6135.85 4450,6140 4510,6200 ; 4391.34,6214.59 4450,6214.59 4450,6240 4510,6300 ; 4391.34,6763 4447,6763 4510,6700 ; 4391.34,6842 4468,6842 4510,6800 ; 4391.34,6920 4490,6920 4510,6900 ; 4391.34,6999 4450,6999 4451,7000 4510,7000 ; 4391.34,7078.37 4488.37,7078.37 4510,7100 ; 4391.34,7157.11 4467.11,7157.11 4510,7200 ; 4391.34,7235.85 4450,7235.85 4450,7240 4510,7300 ; 4391.34,7314.59 4450,7314.59 4450,7340 4510,7400 ; 4391.34,7863 4447,7863 4510,7800 ; 4391.34,7942 4468,7942 4510,7900 ; 4391.34,8020 4490,8020 4510,8000 ; 4391.34,8099 4450,8099 4451,8100 4510,8100 ; 4391.34,8178.37 4488.37,8178.37 4510,8200 ; 4391.34,8257.11 4467.11,8257.11 4510,8300 ; 4391.34,8335.85 4450,8335.85 4450,8340 4510,8400 ; 4391.34,8414.59 4450,8414.59 4450,8440 4510,8500 ; 4391.34,8963 4447,8963 4510,8900 ; 4391.34,9042 4468,9042 4510,9000 ; 4391.34,9120 4490,9120 4510,9100 ; 4391.34,9199 4450,9199 4451,9200 4510,9200 ; 4391.34,9278.37 4488.37,9278.37 4510,9300 ; 4391.34,9357.11 4467.11,9357.11 4510,9400 ; 4391.34,9435.85 4450,9435.85 4450,9440 4510,9500 ; 4391.34,9514.59 4450,9514.59 4450,9540 4510,9600 ; 4391.34,10063 4447,10063 4510,10000 ; 4391.34,10142 4468,10142 4510,10100 ; 4391.34,10220 4490,10220 4510,10200 ; 4391.34,10299 4450,10299 4451,10300 4510,10300 ; 4391.34,10378.37 4488.37,10378.37 4510,10400 ; 4391.34,10457.11 4467.11,10457.11 4510,10500 ; 4391.34,10535.85 4450,10535.85 4450,10540 4510,10600 ; 4391.34,10614.59 4450,10614.59 4450,10640 4510,10700 ; 4890,100 4953,163 5008,163 ; 4890,200 4932,242 5008,242 ; 4890,300 4939,300 4959,320 5008,320 ; 4890,400 4948,400 4949,399 5008,399 ; 4890,500 4911.63,478.37 5008,478.37 ; 4890,600 4932.89,557.11 5008,557.11 ; 4890,700 4954.15,635.85 5008,635.85 ; 4890,800 4958,800 5008,750 5008,714.59 ; 4890,1200 4953,1263 5008,1263 ; 4890,1300 4932,1342 5008,1342 ; 4890,1400 4939,1400 4959,1420 5008,1420 ; 4890,1500 4948,1500 4949,1499 5008,1499 ; 4890,1600 4911.63,1578.37 5008,1578.37 ; 4890,1700 4932.89,1657.11 5008,1657.11 ; 4890,1800 4954.15,1735.85 5008,1735.85 ; 4890,1900 4958,1900 5008,1850 5008,1814.59 ; 4890,2300 4953,2363 5008,2363 ; 4890,2400 4932,2442 5008,2442 ; 4890,2500 4939,2500 4959,2520 5008,2520 ; 4890,2600 4948,2600 4949,2599 5008,2599 ; 4890,2700 4911.63,2678.37 5008,2678.37 ; 4890,2800 4932.89,2757.11 5008,2757.11 ; 4890,2900 4954.15,2835.85 5008,2835.85 ; 4890,3000 4958,3000 5008,2950 5008,2914.59 ; 4890,3400 4953,3463 5008,3463 ; 4890,3500 4932,3542 5008,3542 ; 4890,3600 4939,3600 4959,3620 5008,3620 ; 4890,3700 4948,3700 4949,3699 5008,3699 ; 4890,3800 4911.63,3778.37 5008,3778.37 ; 4890,3900 4932.89,3857.11 5008,3857.11 ; 4890,4000 4954.15,3935.85 5008,3935.85 ; 4890,4100 4958,4100 5008,4050 5008,4014.59 ; 4890,4500 4953,4563 5008,4563 ; 4890,4600 4932,4642 5008,4642 ; 4890,4700 4939,4700 4959,4720 5008,4720 ; 4890,4800 4948,4800 4949,4799 5008,4799 ; 4890,4900 4911.63,4878.37 5008,4878.37 ; 4890,5000 4932.89,4957.11 5008,4957.11 ; 4890,5100 4954.15,5035.85 5008,5035.85 ; 4890,5200 4958,5200 5008,5150 5008,5114.59 ; 4890,5600 4953,5663 5008,5663 ; 4890,5700 4932,5742 5008,5742 ; 4890,5800 4939,5800 4959,5820 5008,5820 ; 4890,5900 4948,5900 4949,5899 5008,5899 ; 4890,6000 4911.63,5978.37 5008,5978.37 ; 4890,6100 4932.89,6057.11 5008,6057.11 ; 4890,6200 4954.15,6135.85 5008,6135.85 ; 4890,6300 4958,6300 5008,6250 5008,6214.59 ; 4890,6700 4953,6763 5008,6763 ; 4890,6800 4932,6842 5008,6842 ; 4890,6900 4939,6900 4959,6920 5008,6920 ; 4890,7000 4948,7000 4949,6999 5008,6999 ; 4890,7100 4911.63,7078.37 5008,7078.37 ; 4890,7200 4932.89,7157.11 5008,7157.11 ; 4890,7300 4954.15,7235.85 5008,7235.85 ; 4890,7400 4958,7400 5008,7350 5008,7314.59 ; 4890,7800 4953,7863 5008,7863 ; 4890,7900 4932,7942 5008,7942 ; 4890,8000 4939,8000 4959,8020 5008,8020 ; 4890,8100 4948,8100 4949,8099 5008,8099 ; 4890,8200 4911.63,8178.37 5008,8178.37 ; 4890,8300 4932.89,8257.11 5008,8257.11 ; 4890,8400 4954.15,8335.85 5008,8335.85 ; 4890,8500 4958,8500 5008,8450 5008,8414.59 ; 4890,8900 4953,8963 5008,8963 ; 4890,9000 4932,9042 5008,9042 ; 4890,9100 4939,9100 4959,9120 5008,9120 ; 4890,9200 4948,9200 4949,9199 5008,9199 ; 4890,9300 4911.63,9278.37 5008,9278.37 ; 4890,9400 4932.89,9357.11 5008,9357.11 ; 4890,9500 4954.15,9435.85 5008,9435.85 ; 4890,9600 4958,9600 5008,9550 5008,9514.59 ; 4890,10000 4953,10063 5008,10063 ; 4890,10100 4932,10142 5008,10142 ; 4890,10200 4939,10200 4959,10220 5008,10220 ; 4890,10300 4948,10300 4949,10299 5008,10299 ; 4890,10400 4911.63,10378.37 5008,10378.37 ; 4890,10500 4932.89,10457.11 5008,10457.11 ; 4890,10600 4954.15,10535.85 5008,10535.85 ; 4890,10700 4958,10700 5008,10650 5008,10614.59 ; 5591.34,163 5647,163 5710,100 ; 5591.34,242 5668,242 5710,200 ; 5591.34,320 5690,320 5710,300 ; 5591.34,399 5650,399 5651,400 5710,400 ; 5591.34,478.37 5688.37,478.37 5710,500 ; 5591.34,557.11 5667.11,557.11 5710,600 ; 5591.34,635.85 5650,635.85 5650,640 5710,700 ; 5591.34,714.59 5650,714.59 5650,740 5710,800 ; 5591.34,1263 5647,1263 5710,1200 ; 5591.34,1342 5668,1342 5710,1300 ; 5591.34,1420 5690,1420 5710,1400 ; 5591.34,1499 5650,1499 5651,1500 5710,1500 ; 5591.34,1578.37 5688.37,1578.37 5710,1600 ; 5591.34,1657.11 5667.11,1657.11 5710,1700 ; 5591.34,1735.85 5650,1735.85 5650,1740 5710,1800 ; 5591.34,1814.59 5650,1814.59 5650,1840 5710,1900 ; 5591.34,2363 5647,2363 5710,2300 ; 5591.34,2442 5668,2442 5710,2400 ; 5591.34,2520 5690,2520 5710,2500 ; 5591.34,2599 5650,2599 5651,2600 5710,2600 ; 5591.34,2678.37 5688.37,2678.37 5710,2700 ; 5591.34,2757.11 5667.11,2757.11 5710,2800 ; 5591.34,2835.85 5650,2835.85 5650,2840 5710,2900 ; 5591.34,2914.59 5650,2914.59 5650,2940 5710,3000 ; 5591.34,3463 5647,3463 5710,3400 ; 5591.34,3542 5668,3542 5710,3500 ; 5591.34,3620 5690,3620 5710,3600 ; 5591.34,3699 5650,3699 5651,3700 5710,3700 ; 5591.34,3778.37 5688.37,3778.37 5710,3800 ; 5591.34,3857.11 5667.11,3857.11 5710,3900 ; 5591.34,3935.85 5650,3935.85 5650,3940 5710,4000 ; 5591.34,4014.59 5650,4014.59 5650,4040 5710,4100 ; 5591.34,4563 5647,4563 5710,4500 ; 5591.34,4642 5668,4642 5710,4600 ; 5591.34,4720 5690,4720 5710,4700 ; 5591.34,4799 5650,4799 5651,4800 5710,4800 ; 5591.34,4878.37 5688.37,4878.37 5710,4900 ; 5591.34,4957.11 5667.11,4957.11 5710,5000 ; 5591.34,5035.85 5650,5035.85 5650,5040 5710,5100 ; 5591.34,5114.59 5650,5114.59 5650,5140 5710,5200 ; 5591.34,5663 5647,5663 5710,5600 ; 5591.34,5742 5668,5742 5710,5700 ; 5591.34,5820 5690,5820 5710,5800 ; 5591.34,5899 5650,5899 5651,5900 5710,5900 ; 5591.34,5978.37 5688.37,5978.37 5710,6000 ; 5591.34,6057.11 5667.11,6057.11 5710,6100 ; 5591.34,6135.85 5650,6135.85 5650,6140 5710,6200 ; 5591.34,6214.59 5650,6214.59 5650,6240 5710,6300 ; 5591.34,6763 5647,6763 5710,6700 ; 5591.34,6842 5668,6842 5710,6800 ; 5591.34,6920 5690,6920 5710,6900 ; 5591.34,6999 5650,6999 5651,7000 5710,7000 ; 5591.34,7078.37 5688.37,7078.37 5710,7100 ; 5591.34,7157.11 5667.11,7157.11 5710,7200 ; 5591.34,7235.85 5650,7235.85 5650,7240 5710,7300 ; 5591.34,7314.59 5650,7314.59 5650,7340 5710,7400 ; 5591.34,7863 5647,7863 5710,7800 ; 5591.34,7942 5668,7942 5710,7900 ; 5591.34,8020 5690,8020 5710,8000 ; 5591.34,8099 5650,8099 5651,8100 5710,8100 ; 5591.34,8178.37 5688.37,8178.37 5710,8200 ; 5591.34,8257.11 5667.11,8257.11 5710,8300 ; 5591.34,8335.85 5650,8335.85 5650,8340 5710,8400 ; 5591.34,8414.59 5650,8414.59 5650,8440 5710,8500 ; 5591.34,8963 5647,8963 5710,8900 ; 5591.34,9042 5668,9042 5710,9000 ; 5591.34,9120 5690,9120 5710,9100 ; 5591.34,9199 5650,9199 5651,9200 5710,9200 ; 5591.34,9278.37 5688.37,9278.37 5710,9300 ; 5591.34,9357.11 5667.11,9357.11 5710,9400 ; 5591.34,9435.85 5650,9435.85 5650,9440 5710,9500 ; 5591.34,9514.59 5650,9514.59 5650,9540 5710,9600 ; 5591.34,10063 5647,10063 5710,10000 ; 5591.34,10142 5668,10142 5710,10100 ; 5591.34,10220 5690,10220 5710,10200 ; 5591.34,10299 5650,10299 5651,10300 5710,10300 ; 5591.34,10378.37 5688.37,10378.37 5710,10400 ; 5591.34,10457.11 5667.11,10457.11 5710,10500 ; 5591.34,10535.85 5650,10535.85 5650,10540 5710,10600 ; 5591.34,10614.59 5650,10614.59 5650,10640 5710,10700 ; 6090,100 6153,163 6208,163 ; 6090,200 6132,242 6208,242 ; 6090,300 6139,300 6159,320 6208,320 ; 6090,400 6148,400 6149,399 6208,399 ; 6090,500 6111.63,478.37 6208,478.37 ; 6090,600 6132.89,557.11 6208,557.11 ; 6090,700 6154.15,635.85 6208,635.85 ; 6090,800 6158,800 6208,750 6208,714.59 ; 6090,1200 6153,1263 6208,1263 ; 6090,1300 6132,1342 6208,1342 ; 6090,1400 6139,1400 6159,1420 6208,1420 ; 6090,1500 6148,1500 6149,1499 6208,1499 ; 6090,1600 6111.63,1578.37 6208,1578.37 ; 6090,1700 6132.89,1657.11 6208,1657.11 ; 6090,1800 6154.15,1735.85 6208,1735.85 ; 6090,1900 6158,1900 6208,1850 6208,1814.59 ; 6090,2300 6153,2363 6208,2363 ; 6090,2400 6132,2442 6208,2442 ; 6090,2500 6139,2500 6159,2520 6208,2520 ; 6090,2600 6148,2600 6149,2599 6208,2599 ; 6090,2700 6111.63,2678.37 6208,2678.37 ; 6090,2800 6132.89,2757.11 6208,2757.11 ; 6090,2900 6154.15,2835.85 6208,2835.85 ; 6090,3000 6158,3000 6208,2950 6208,2914.59 ; 6090,3400 6153,3463 6208,3463 ; 6090,3500 6132,3542 6208,3542 ; 6090,3600 6139,3600 6159,3620 6208,3620 ; 6090,3700 6148,3700 6149,3699 6208,3699 ; 6090,3800 6111.63,3778.37 6208,3778.37 ; 6090,3900 6132.89,3857.11 6208,3857.11 ; 6090,4000 6154.15,3935.85 6208,3935.85 ; 6090,4100 6158,4100 6208,4050 6208,4014.59 ; 6090,4500 6153,4563 6208,4563 ; 6090,4600 6132,4642 6208,4642 ; 6090,4700 6139,4700 6159,4720 6208,4720 ; 6090,4800 6148,4800 6149,4799 6208,4799 ; 6090,4900 6111.63,4878.37 6208,4878.37 ; 6090,5000 6132.89,4957.11 6208,4957.11 ; 6090,5100 6154.15,5035.85 6208,5035.85 ; 6090,5200 6158,5200 6208,5150 6208,5114.59 ; 6090,5600 6153,5663 6208,5663 ; 6090,5700 6132,5742 6208,5742 ; 6090,5800 6139,5800 6159,5820 6208,5820 ; 6090,5900 6148,5900 6149,5899 6208,5899 ; 6090,6000 6111.63,5978.37 6208,5978.37 ; 6090,6100 6132.89,6057.11 6208,6057.11 ; 6090,6200 6154.15,6135.85 6208,6135.85 ; 6090,6300 6158,6300 6208,6250 6208,6214.59 ; 6090,6700 6153,6763 6208,6763 ; 6090,6800 6132,6842 6208,6842 ; 6090,6900 6139,6900 6159,6920 6208,6920 ; 6090,7000 6148,7000 6149,6999 6208,6999 ; 6090,7100 6111.63,7078.37 6208,7078.37 ; 6090,7200 6132.89,7157.11 6208,7157.11 ; 6090,7300 6154.15,7235.85 6208,7235.85 ; 6090,7400 6158,7400 6208,7350 6208,7314.59 ; 6090,7800 6153,7863 6208,7863 ; 6090,7900 6132,7942 6208,7942 ; 6090,8000 6139,8000 6159,8020 6208,8020 ; 6090,8100 6148,8100 6149,8099 6208,8099 ; 6090,8200 6111.63,8178.37 6208,8178.37 ; 6090,8300 6132.89,8257.11 6208,8257.11 ; 6090,8400 6154.15,8335.85 6208,8335.85 ; 6090,8500 6158,8500 6208,8450 6208,8414.59 ; 6090,8900 6153,8963 6208,8963 ; 6090,9000 6132,9042 6208,9042 ; 6090,9100 6139,9100 6159,9120 6208,9120 ; 6090,9200 6148,9200 6149,9199 6208,9199 ; 6090,9300 6111.63,9278.37 6208,9278.37 ; 6090,9400 6132.89,9357.11 6208,9357.11 ; 6090,9500 6154.15,9435.85 6208,9435.85 ; 6090,9600 6158,9600 6208,9550 6208,9514.59 ; 6090,10000 6153,10063 6208,10063 ; 6090,10100 6132,10142 6208,10142 ; 6090,10200 6139,10200 6159,10220 6208,10220 ; 6090,10300 6148,10300 6149,10299 6208,10299 ; 6090,10400 6111.63,10378.37 6208,10378.37 ; 6090,10500 6132.89,10457.11 6208,10457.11 ; 6090,10600 6154.15,10535.85 6208,10535.85 ; 6090,10700 6158,10700 6208,10650 6208,10614.59 ; 6791.34,163 6847,163 6910,100 ; 6791.34,242 6868,242 6910,200 ; 6791.34,320 6890,320 6910,300 ; 6791.34,399 6850,399 6851,400 6910,400 ; 6791.34,478.37 6888.37,478.37 6910,500 ; 6791.34,557.11 6867.11,557.11 6910,600 ; 6791.34,635.85 6850,635.85 6850,640 6910,700 ; 6791.34,714.59 6850,714.59 6850,740 6910,800 ; 6791.34,1263 6847,1263 6910,1200 ; 6791.34,1342 6868,1342 6910,1300 ; 6791.34,1420 6890,1420 6910,1400 ; 6791.34,1499 6850,1499 6851,1500 6910,1500 ; 6791.34,1578.37 6888.37,1578.37 6910,1600 ; 6791.34,1657.11 6867.11,1657.11 6910,1700 ; 6791.34,1735.85 6850,1735.85 6850,1740 6910,1800 ; 6791.34,1814.59 6850,1814.59 6850,1840 6910,1900 ; 6791.34,2363 6847,2363 6910,2300 ; 6791.34,2442 6868,2442 6910,2400 ; 6791.34,2520 6890,2520 6910,2500 ; 6791.34,2599 6850,2599 6851,2600 6910,2600 ; 6791.34,2678.37 6888.37,2678.37 6910,2700 ; 6791.34,2757.11 6867.11,2757.11 6910,2800 ; 6791.34,2835.85 6850,2835.85 6850,2840 6910,2900 ; 6791.34,2914.59 6850,2914.59 6850,2940 6910,3000 ; 6791.34,3463 6847,3463 6910,3400 ; 6791.34,3542 6868,3542 6910,3500 ; 6791.34,3620 6890,3620 6910,3600 ; 6791.34,3699 6850,3699 6851,3700 6910,3700 ; 6791.34,3778.37 6888.37,3778.37 6910,3800 ; 6791.34,3857.11 6867.11,3857.11 6910,3900 ; 6791.34,3935.85 6850,3935.85 6850,3940 6910,4000 ; 6791.34,4014.59 6850,4014.59 6850,4040 6910,4100 ; 6791.34,4563 6847,4563 6910,4500 ; 6791.34,4642 6868,4642 6910,4600 ; 6791.34,4720 6890,4720 6910,4700 ; 6791.34,4799 6850,4799 6851,4800 6910,4800 ; 6791.34,4878.37 6888.37,4878.37 6910,4900 ; 6791.34,4957.11 6867.11,4957.11 6910,5000 ; 6791.34,5035.85 6850,5035.85 6850,5040 6910,5100 ; 6791.34,5114.59 6850,5114.59 6850,5140 6910,5200 ; 6791.34,5663 6847,5663 6910,5600 ; 6791.34,5742 6868,5742 6910,5700 ; 6791.34,5820 6890,5820 6910,5800 ; 6791.34,5899 6850,5899 6851,5900 6910,5900 ; 6791.34,5978.37 6888.37,5978.37 6910,6000 ; 6791.34,6057.11 6867.11,6057.11 6910,6100 ; 6791.34,6135.85 6850,6135.85 6850,6140 6910,6200 ; 6791.34,6214.59 6850,6214.59 6850,6240 6910,6300 ; 6791.34,6763 6847,6763 6910,6700 ; 6791.34,6842 6868,6842 6910,6800 ; 6791.34,6920 6890,6920 6910,6900 ; 6791.34,6999 6850,6999 6851,7000 6910,7000 ; 6791.34,7078.37 6888.37,7078.37 6910,7100 ; 6791.34,7157.11 6867.11,7157.11 6910,7200 ; 6791.34,7235.85 6850,7235.85 6850,7240 6910,7300 ; 6791.34,7314.59 6850,7314.59 6850,7340 6910,7400 ; 6791.34,7863 6847,7863 6910,7800 ; 6791.34,7942 6868,7942 6910,7900 ; 6791.34,8020 6890,8020 6910,8000 ; 6791.34,8099 6850,8099 6851,8100 6910,8100 ; 6791.34,8178.37 6888.37,8178.37 6910,8200 ; 6791.34,8257.11 6867.11,8257.11 6910,8300 ; 6791.34,8335.85 6850,8335.85 6850,8340 6910,8400 ; 6791.34,8414.59 6850,8414.59 6850,8440 6910,8500 ; 6791.34,8963 6847,8963 6910,8900 ; 6791.34,9042 6868,9042 6910,9000 ; 6791.34,9120 6890,9120 6910,9100 ; 6791.34,9199 6850,9199 6851,9200 6910,9200 ; 6791.34,9278.37 6888.37,9278.37 6910,9300 ; 6791.34,9357.11 6867.11,9357.11 6910,9400 ; 6791.34,9435.85 6850,9435.85 6850,9440 6910,9500 ; 6791.34,9514.59 6850,9514.59 6850,9540 6910,9600 ; 6791.34,10063 6847,10063 6910,10000 ; 6791.34,10142 6868,10142 6910,10100 ; 6791.34,10220 6890,10220 6910,10200 ; 6791.34,10299 6850,10299 6851,10300 6910,10300 ; 6791.34,10378.37 6888.37,10378.37 6910,10400 ; 6791.34,10457.11 6867.11,10457.11 6910,10500 ; 6791.34,10535.85 6850,10535.85 6850,10540 6910,10600 ; 6791.34,10614.59 6850,10614.59 6850,10640 6910,10700

## Text inside footprints (layer, text, board x,y; h text height)
RFM9x: Top Overlay "IC" at 2965,1374 h40
RFM9x: Top Overlay "IC" at 1765,1374 h40
RFM9x: Top Overlay "IC" at 565,1374 h40
RFM9x: Top Overlay "IC" at 5365,274 h40
RFM9x: Top Overlay "IC" at 4165,274 h40
RFM9x: Top Overlay "IC" at 2965,274 h40
RFM9x: Top Overlay "IC" at 1765,274 h40
RFM9x: Top Overlay "IC" at 565,274 h40